# Altium PCB LAY-94611_B.PcbDoc (part 6 of 16) (continued)
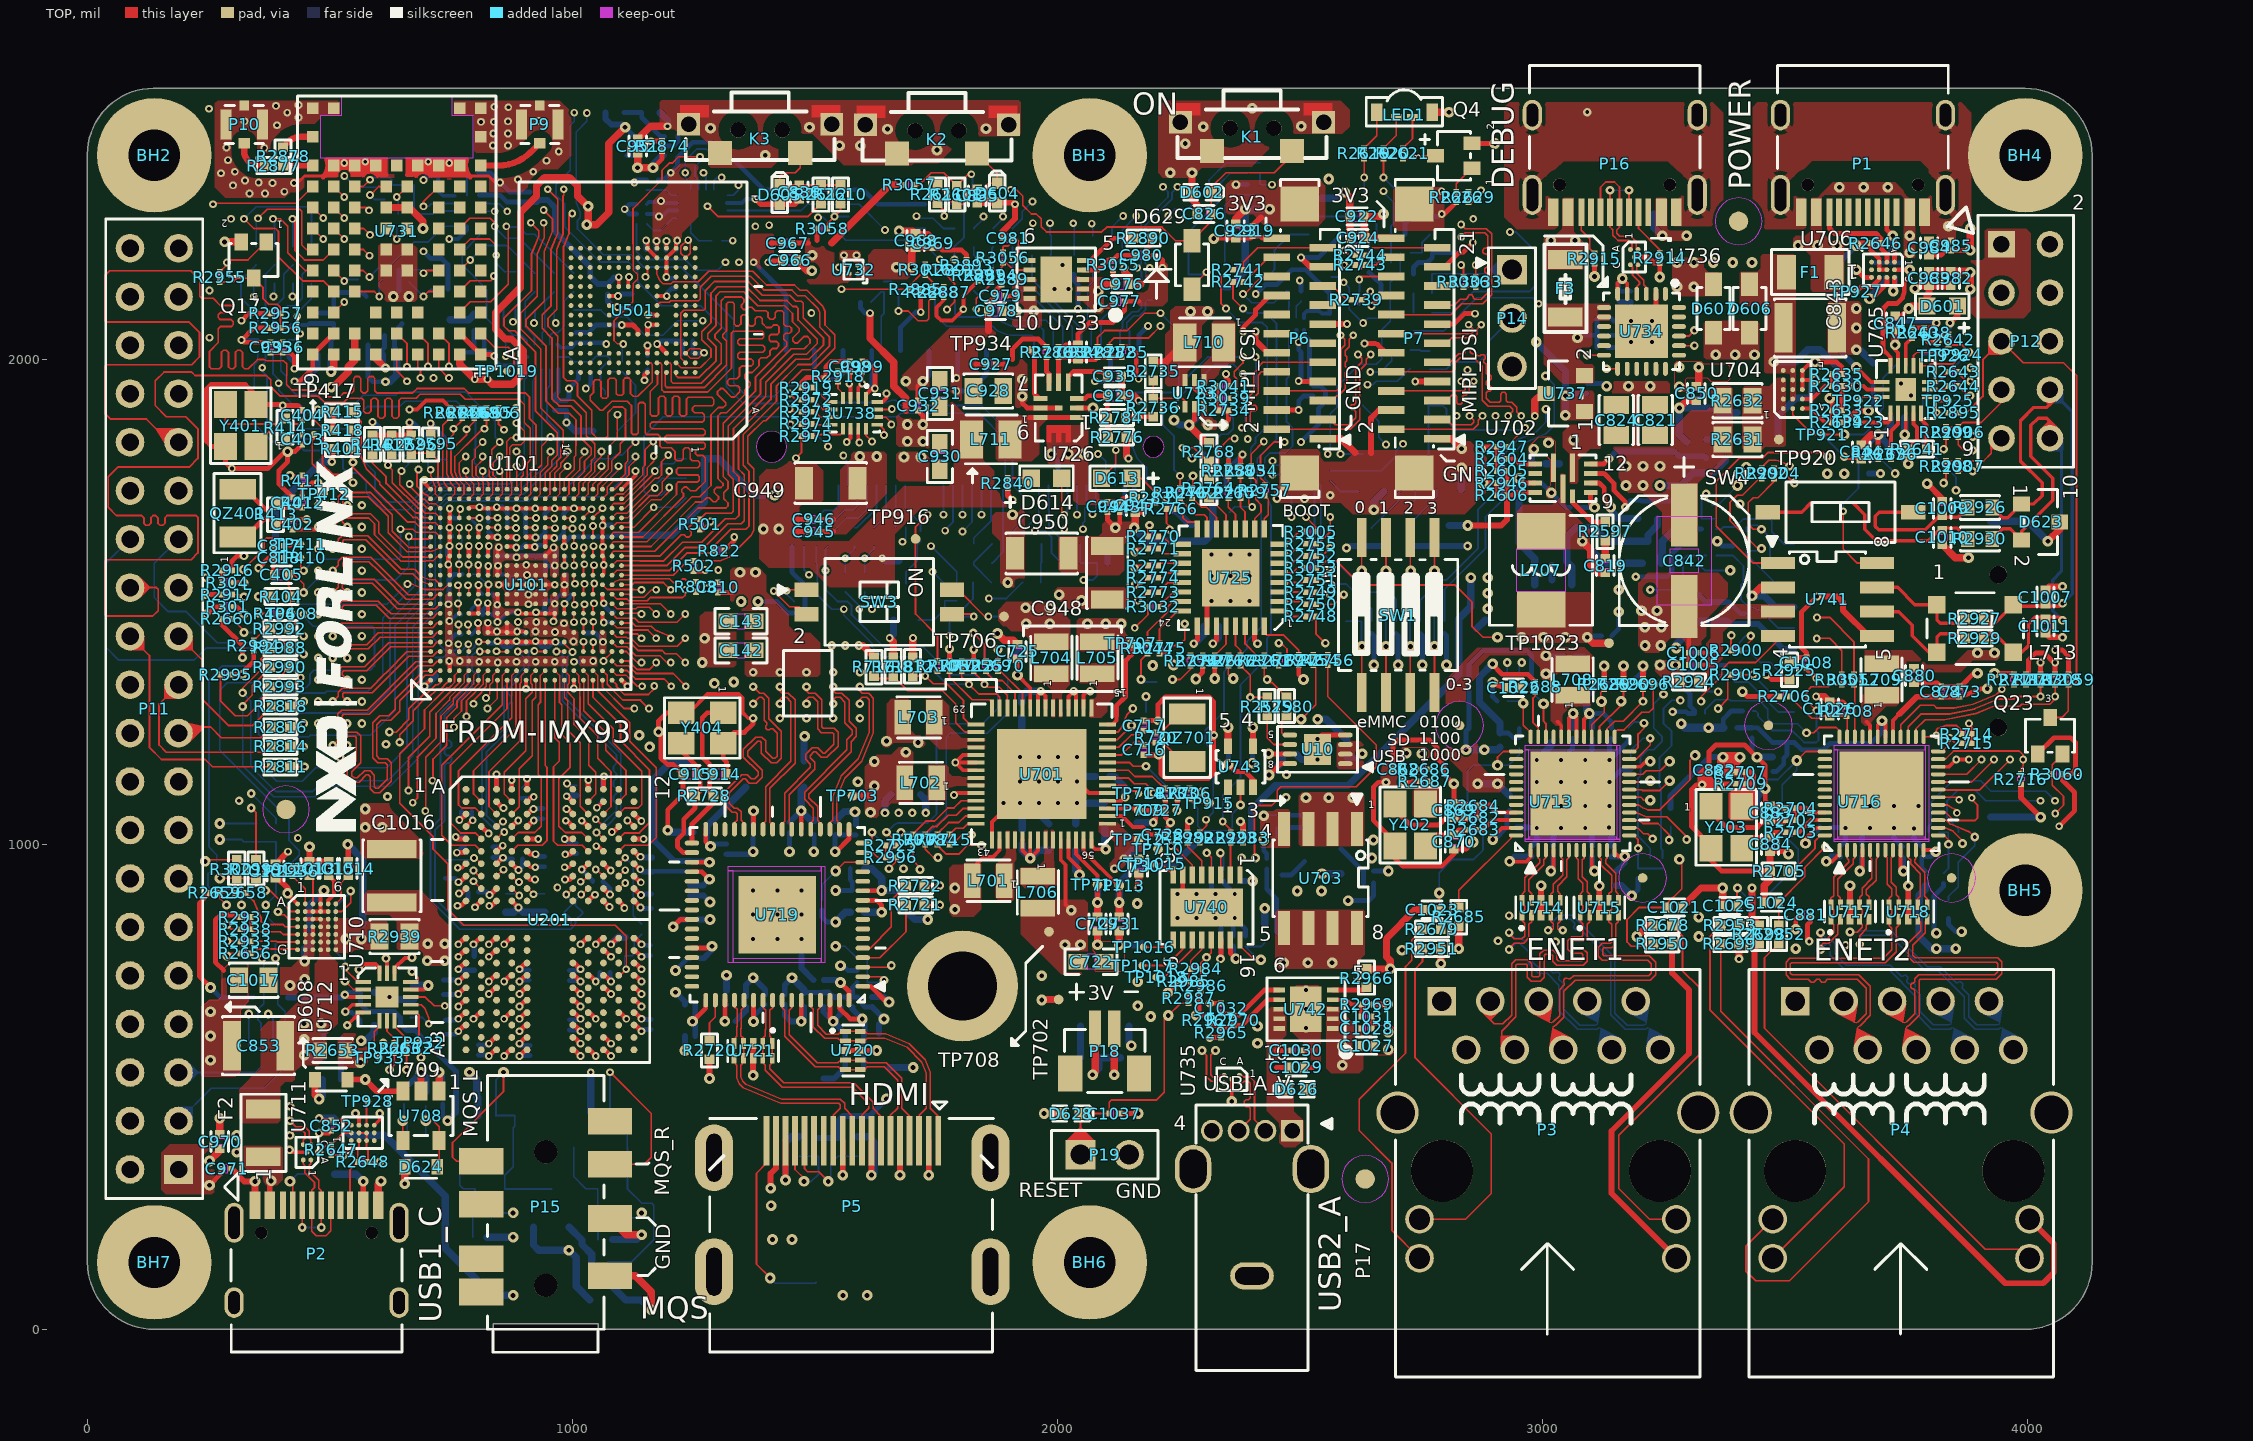
[diagram p0: TOP view]
## Nets (pads, with @x,y where several pads share a name; then routed paths per layer and width w, separated by ;. In a path a pad name is that pad's centre, name@x,y a point inside that pad or via, vN(x,y) a via of type N, cw(c..) or ccw(c..) an arc to the next point about the centre after c; other vN are vias at no path point) (continued)
ENET1_TRXP1: P3.9 U713.5 U714.4 U714.7 | length 625.1
  TOP w2.79: v15(3012.32,822.84) 3019.69,822.84 3022.95,826.1 3022.95,835.85 3017.48,841.32 U714.4@3017.48,854.17 3017.48,860.33 3022.95,865.8 3022.95,873.51 3017.48,878.98 U714.7@3017.48,884.49 3017.48,896.68 3022.95,902.15 3022.95,917.53 3042.05,936.63 3042.05,969.76 3039.18,972.63 U713.5@3039.18,988.27
  BOTTOM w2.79: v15(3012.32,822.84) 3022.92,833.44 3022.92,841.69 3035.23,854 3062.24,854 3150.1,766.14 3150.1,652 3174.92,627.18 3209.12,627.18 3213.24,629.24 3214.7,633.6 P3.9@3193.11,676.77
ENET1_TRXP2: P3.3 U713.7 U715.1 U715.10 | length 733.8
  TOP w2.79: P3.3@2893.11,676.77 2893.11,638.19 2901.3,630 2918.99,630 2937.05,648.06 2937.05,754.06 2944.99,762 2970.43,762 2978.37,754.06 2978.37,729.59 2981.16,726.8 2992.32,726.8 2995.11,729.59 2995.11,774.06 3003.05,782 3022.52,782 3030.46,774.06 3030.46,762.79 3033.25,760 3081.1,760 3083.89,762.79 3083.89,772.57 3081.1,775.36 3060.74,775.36 3052.8,783.3 3052.8,801.76 3060.74,809.7 3081.1,809.7 3083.89,812.49 3083.89,835.91 3078.43,841.37 U715.1@3078.43,854.17 3078.43,860.34 3083.89,865.8 3083.89,873.51 3078.43,878.97 U715.10@3078.43,884.49 3078.43,897.63 3083.89,903.09 3083.89,919.53 3074.05,929.37 3074.05,968.76 3070.67,972.14 U713.7@3070.67,988.27
ENET1_TRXP3: P3.5 U713.10 U715.4 U715.7 | length 736.4
  TOP w2.79: P3.5@2993.11,676.77 3014.71,633.58 3019.07,632.14 3023.18,634.19 3036.05,647.06 3036.05,700.32 3045.81,710.08 3045.81,714.7 3044.08,716.44 3044.08,721.06 3047.36,724.34 3051.98,724.34 3053.72,722.6 3058.33,722.6 3064.73,729 3219.35,729 3225,734.65 3225,753.57 3217.21,761.36 3123.74,761.36 3115.8,769.3 3115.8,787.76 3123.74,795.7 3140.21,795.7 3143,798.49 3143,834.8 3137.48,840.32 U715.4@3137.48,854.17 3137.48,860.33 3142.95,865.8 3142.95,873.51 3137.48,878.98 U715.7@3137.48,884.49 3137.48,897.68 3142.95,903.15 3142.95,936.47 3122.05,957.37 3122.05,969 3117.92,973.13 U713.10@3117.92,988.27
ENET1_TX_CTL: U101.V10 U713.20 | length 2826.4
  TOP w3.62: U101.V10@1042.39,1515.8 1042.39,1534.89 v9(1045.22,1537.72) ; U713.20@3179.53,1128.62 3220.18,1128.62 v18(3222.68,1131.12)
  ART08 w3.09: v9(1045.22,1537.72) 1113.52,1537.72 1175.8,1600 1288.3,1600 1337.11,1579.78 1440.91,1579.78 1509.52,1608.2 1643.6,1608.2 1664.8,1587 1707.8,1587 1716.8,1578 1781.8,1578 1788.8,1585 1920.8,1585 1929.8,1576 2061.8,1576 2142.01,1495.79 2167.34,1485.3 2192.54,1485.3 2203.24,1496 2279.36,1496 2301.36,1474 2703.8,1474 2710.39,1467.41 2710.39,1462.29 2702.52,1454.42 2702.52,1449.3 2706.14,1445.68 2711.26,1445.68 2719.13,1453.55 2724.25,1453.55 2727.87,1449.93 2727.87,1444.81 2720,1436.94 2720,1431.82 2723.62,1428.2 2728.74,1428.2 2736.61,1436.07 2741.73,1436.07 2756.8,1421 2756.8,1402 2778.8,1380 2778.8,1354.09 2775.71,1351 2749.89,1351 2746.8,1347.91 2746.8,1326 2752.67,1320.13 2757.79,1320.13 2773.67,1336.01 2778.79,1336.01 2782.41,1332.39 2782.41,1327.27 2766.53,1311.39 2766.53,1306.27 2772.8,1300 2800.8,1300 2803.76,1297.04 2808.88,1297.04 2811.76,1299.92 2816.88,1299.92 2820.5,1296.3 2820.5,1291.18 2817.62,1288.3 2817.62,1283.18 2821.24,1279.56 2826.36,1279.56 2829.24,1282.44 2834.36,1282.44 2837.98,1278.82 2837.98,1273.7 2835.1,1270.82 2835.1,1265.7 2844.8,1256 2878.92,1256 2941.92,1193 2999.8,1193 3009.8,1183 3009.8,1153.1 3012.9,1150 3147.8,1150 3166.68,1131.12 3174.69,1131.12 3178.31,1127.5 3178.31,1090.62 3181.93,1087 3187.05,1087 3190.67,1090.62 3190.67,1127.5 3194.29,1131.12 v18(3222.68,1131.12)
ENET1_TXC: U101.U10 U713.21 | length 2830.6
  TOP w3.62: U101.U10@1022.71,1515.8 1022.71,1534.75 v9(1025.22,1537.26) ; U713.21@3179.53,1144.37 3207.17,1144.37 3214.8,1152 3243.56,1152 v18(3262.68,1171.12)
  ART08 w3.09: v9(1025.22,1537.26) 1040.96,1553 1104.19,1553 1168.19,1617 1275.41,1617 1340.16,1590.18 1438.83,1590.18 1507.42,1618.6 1647.91,1618.6 1669.11,1597.4 1712.11,1597.4 1721.11,1588.4 1777.49,1588.4 1784.49,1595.4 1974.11,1595.4 1981.11,1588.4 2077.39,1588.4 2146.79,1519 2411.71,1519 2414.8,1515.91 2414.8,1496.09 2417.89,1493 2428.82,1493 2432.44,1496.62 2432.44,1515.38 2436.06,1519 2441.18,1519 2444.8,1515.38 2444.8,1496.62 2448.42,1493 2453.54,1493 2457.16,1496.62 2457.16,1515.38 2460.78,1519 2465.9,1519 2469.52,1515.38 2469.52,1496.62 2473.14,1493 2478.26,1493 2481.88,1496.62 2481.88,1515.38 2485.5,1519 2490.62,1519 2494.24,1515.38 2494.24,1496.62 2497.86,1493 2502.98,1493 2506.6,1496.62 2506.6,1515.38 2510.22,1519 2515.34,1519 2518.96,1515.38 2518.96,1496.62 2522.58,1493 2719.8,1493 2811.84,1400.96 2821.5,1377.64 2821.5,1321.31 2867.91,1274.9 2889.9,1274.9 2948.8,1216 3008.8,1216 3031.9,1192.9 3148.9,1192.9 3190.8,1151 3229.8,1151 3249.92,1171.12 v18(3262.68,1171.12)
ENET2_AVDD3: C875.1 C876.1 FB21.2 U716.1 U716.12 | length 401.9
  TOP w8: v14(3585.8,965) 3597.8,965 3613.19,980.39 U716.1@3613.19,988.27 ; U716.12@3786.41,988.27 3808.53,988.27 v14(3811.8,985)
  ART03 w15: v14(3585.8,965) 3620.8,965 3640.8,985 v14(3811.8,985)
  BOTTOM w10: FB21.2@3789.8,944.76 3782.8,951.76 3782.8,974.49 3801.29,974.49 v14(3811.8,985)
  BOTTOM w12: v14(3585.8,965) 3596.04,975.24 3614.8,975.24
ENET2_AVDDL: C877.1 C878.1 C879.1 FB22.2 U716.4 U716.9 U716.47 | length 258.5
  TOP w8: v7(3542.8,1002) 3542.8,1012 3564.93,1034.13 U716.47@3583.07,1034.13 ; v7(3654.8,945) 3660.43,950.63 U716.4@3660.43,988.27 ; U716.9@3739.17,988.27 3739.17,950.63 v7(3744.8,945)
  BOTTOM w10: 3742.8,974.49 3744.8,972.49 v7(3744.8,945)
  BOTTOM w12: v7(3542.8,1002) 3542.8,1005.51 C878.1@3572.29,1035 ; v7(3654.8,945) 3659.8,950 3659.8,975.24
ENET2_DVDD3: C871.1 C872.1 FB20.2 R2706.2 R2719.2 U716.30 U716.31 | length 940
  TOP w8: U716.31@3691.93,1221.73 3691.93,1246.13 v14(3700.8,1255) 3707.67,1248.13 U716.30@3707.67,1221.73
  TOP w10: v14(3412.8,1315) 3422.8,1305 3489.49,1305
  ART03 w15: v14(3412.8,1315) 3490,1315 3540,1365 3590.8,1365 v14(3700.8,1255)
  BOTTOM w10: 3432.8,1240.51 3444.25,1240.51 C871.1@3475,1209.76 3505,1209.76 ; 3475.51,1150 3482.5,1150 3498,1165.5 3498,1178 3505,1185 3505,1209.76 ; v14(3700.8,1255) 3700.8,1231 3677.8,1208 3593,1208 3580,1195 3534.99,1195 3520.23,1209.76 3505,1209.76
  BOTTOM w12: 3402.8,1240.51 3432.8,1240.51
ENET2_DVDD_RGMII: C873.1 C874.1 R2710.2 R2718.2 U716.29 | length 377.3
  TOP w8: U716.29@3723.42,1221.73 3723.42,1255.62 3736.05,1268.25
  TOP w10: C873.1@3860.8,1304.49 3864.6,1304.49 3904.49,1321 v7(3917.8,1321) ; 3997.8,1350.51 4002.8,1355.51 4002.8,1380 4017.8,1395 4035,1395 4055,1375 v5(4057.8,1375) 4057.8,1350.51
  TOP w12: 3736.05,1268.25 3772.29,1304.49 C874.1@3822.8,1304.49 C873.1@3860.8,1304.49
ENET2_DVDDL: C880.1 C881.1 FB22.1 L709.2 U716.22 | length 103.4
  TOP w8: U716.22@3816.53,1160.12 3838.92,1160.12 v34(3853.8,1175) v34(3879.8,1175)
  TOP w10: v19(3522.8,825) 3522.8,845.51 C881.1@3532.29,855
  other v18: 3897.8,1395 3932.8,1395
  other v19: 3522.8,785
ENET2_INT: R2700.2 R3051.2 R3052.2 U716.34 | length 491.3
  TOP w3.62: v5(3565.43,1276) 3545,1296.43 3545,1315.01 3554.99,1325 3589.99,1325 3594.48,1329.49 3617.8,1329.49 3642.8,1329.49 3644.68,1327.61 U716.34@3644.68,1221.73
  BOTTOM w3.62: 3433.94,1275 3440,1275 3445,1270 3445,1264 3474,1235 3515,1235 3540,1210 3565,1210 3570,1215 3570,1229.99 3565.43,1234.56 v5(3565.43,1276)
ENET2_MDC: U101.Y7 U716.14 | length 3414.1
  TOP w3.2: U101.Y7@1081.76,1456.75 1091.51,1447 1119.8,1447 1124.8,1442 1126.8,1442
  TOP w3.62: 1126.8,1442 1155.8,1442 v9(1172.8,1425) ; U716.14@3816.53,1034.13 3831.07,1034.13 3846.77,1027.62 3866.8,1007.59 v6(3866.8,1002)
  ART08 w3.09: v9(1172.8,1425) 1191.8,1406 1236.8,1406 1249.3,1418.5 1249.3,1428.5 1267.5,1446.7 1291.46,1446.7 1298.46,1439.7 1467.5,1439.7 1508.73,1480.93 1556.31,1500.7 1625.1,1500.7 1672.8,1453 1700.8,1453 1728.8,1425 1728.8,1396.38 1764.98,1360.2 1859.86,1360.2 1935.66,1284.4 2078.79,1284.4 2100.19,1263 2173.81,1263 2186.99,1276.18 2198.92,1281.12 2216.8,1299 2285.39,1299 2289.51,1300.71 2310.4,1321.6 2372.4,1321.6 2382.4,1331.6 2412.2,1331.6 2423.4,1320.4 2582.4,1320.4 2685.2,1217.6 2685.2,1174.6 2711.4,1148.4 2751.4,1148.4 2822.8,1077 2822.8,987 2885.8,924 2946.24,924 2988.24,882 3064.8,882 3092.8,854 3225.8,854 3252.8,881 3333.8,881 3351.8,863 3450.8,863 3472.8,885 3752.8,885 3866.8,999 v6(3866.8,1002)
ENET2_MDIO: R2713.1 U101.AA6 U716.15 | length 3798.1
  TOP w3.62: U101.AA6@1101.45,1437.06 1115.73,1437.06 1118.79,1434 1133.8,1434 v9(1142.8,1425) ; U716.15@3816.53,1049.88 3833.3,1049.88 3840.92,1042.26 3881.13,1025.59 3890.72,1016 3891,1016 v6(3892,1015)
  ART08 w3.09: v9(1142.8,1425) 1174.8,1393 1242.8,1393 1255.8,1406 1281.8,1406 1305.1,1429.3 1472.1,1429.3 1511.8,1469 1634.8,1469 1661.8,1442 1666.8,1442 1675.8,1433 1675.8,1426 1737.8,1364 1740.8,1364 1756.8,1348 1854.8,1348 1928.8,1274 2074.48,1274 2120.48,1228 2157.39,1228 2161.51,1229.71 2175.8,1244 2175.8,1250 2192.68,1266.88 2204.63,1271.83 2220.8,1288 2291.39,1288 2295.51,1289.71 2316.8,1311 2376.8,1311 2386.8,1321 2407.8,1321 2419,1309.8 2570,1309.8 2649.8,1230 2649.8,1212 2659.8,1202 2659.8,1175 2694.8,1140 2694.8,1120 2666.8,1092 2666.8,1057 2628.8,1019 2628.8,964 2671.47,921.33 2698.13,921.33 2721.8,945 2824.77,945 2864.77,905 2946.8,905 2981.8,870 3060.8,870 3087.8,843 3293.8,843 3306.8,830 3343.8,830 3358.8,845 3454.8,845 3483.8,874 3763,874 3892,1003 v6(3892,1015)
  BOTTOM w3.62: 3837.76,884.8 3837.76,892.76 3857.8,912.8 3857.8,962.8 3892,997 v6(3892,1015)
  BOTTOM w10: R2713.1@3837.76,846.8 3837.76,835.04 3852.8,820 v19(3865,820)
ENET2_MODE0: R2714.1 U101.Y5 U716.25 | length 4138.2
  TOP w3.2: U101.Y5@1081.76,1417.38 1081.76,1417.04 1091.3,1407.5 1112.3,1407.5 1116.8,1403
  TOP w3.62: 1116.8,1403 1130.8,1389 1180.8,1389 1194.8,1375 v3(1202.8,1375) ; U716.25@3786.41,1221.73 3809.53,1221.73 v3(3812.8,1225) 3812.8,1235.16 3815.8,1239.32 3832.82,1245 3854.99,1245 3864.49,1235.5 3864.49,1227.5
  ART03 w3.09: v3(1202.8,1375) 1218.8,1359 1253.8,1359 1257.8,1355 1276.8,1355 1293.4,1371.6 1299.5,1371.6 1303.12,1367.98 1303.12,1356.62 1306.74,1353 1311.86,1353 1315.48,1356.62 1315.48,1367.98 1319.1,1371.6 1324.22,1371.6 1327.84,1367.98 1327.84,1358.62 1331.46,1355 1336.58,1355 1340.2,1358.62 1340.2,1367.98 1343.82,1371.6 1611.21,1371.6 1616.55,1366.26 1616.55,1325.76 1667.11,1275.2 1734.81,1275.2 1858.8,1151.21 1858.8,1088.99 1879.64,1068.15 1892.07,1063 2156,1063 2193,1026 2240.8,1026 2253.8,1039 2253.8,1053 2269.8,1069 2341.81,1069 2371.81,1099 2443.8,1099 2459.8,1115 2580.7,1115 2583.8,1111.9 2583.8,1076.51 2580.18,1072.89 2548.42,1072.89 2544.8,1069.27 2544.8,1064.15 2548.42,1060.53 2580.18,1060.53 2583.8,1056.91 2583.8,1023.59 2586.89,1020.5 2596.69,1020.5 2600.31,1024.12 2600.31,1071.38 2603.93,1075 2609.05,1075 2612.67,1071.38 2612.67,1024.12 2616.29,1020.5 2626.31,1020.5 2629.4,1017.41 2629.4,962.41 2668.81,923 2697.4,923 2701.02,919.38 2701.02,890.62 2704.64,887 2709.76,887 2713.38,890.62 2713.38,949.38 2717,953 2722.12,953 2725.74,949.38 2725.74,888.62 2729.36,885 2734.48,885 2738.1,888.62 2738.1,949.38 2741.72,953 2746.84,953 2750.46,949.38 2750.46,888.62 2754.08,885 2759.2,885 2762.82,888.62 2762.82,919.38 2766.44,923 2803.71,923 2806.8,919.91 2806.8,887.09 2809.89,884 2816.55,884 2820.17,887.62 2820.17,903.38 2823.79,907 2828.91,907 2832.53,903.38 2832.53,887.62 2836.15,884 2841.27,884 2844.89,887.62 2844.89,903.38 2848.51,907 2853.63,907 2857.25,903.38 2857.25,887.62 2860.87,884 2868.8,884 2872.8,888 2872.8,902.91 2877.89,908 2972.8,908 2986.8,894 3136.8,894 3192.8,950 3442.4,950 3457.4,965 3457.4,1012.6 3556.99,1112.19 3556.99,1146.48 3605.51,1195 3762.27,1195 3797.31,1209.51 v3(3812.8,1225)
ENET2_MODE1: R2715.1 U101.AA5 U716.24 | length 4042
  TOP w3.62: U101.AA5@1101.45,1417.38 1103.83,1415 1120.05,1415 1135.05,1400 1184.8,1400 1191.8,1393 1214.8,1393 v3(1232.8,1375) ; U716.24@3816.53,1191.61 3824.41,1191.61 3837.8,1205 3837.8,1215 3840,1217.2 v3(3840,1220) 3851.5,1208.5 3864.49,1208.5
  ART03 w3.09: v3(1232.8,1375) 1232.8,1391.91 1235.89,1395 1285.8,1395 1298.8,1382 1309.13,1382 1312.75,1385.62 1312.75,1391.38 1316.37,1395 1321.49,1395 1325.11,1391.38 1325.11,1385.62 1328.73,1382 1333.85,1382 1337.47,1385.62 1337.47,1391.38 1341.09,1395 1346.21,1395 1349.83,1391.38 1349.83,1385.62 1353.45,1382 1358.57,1382 1362.19,1385.62 1362.19,1391.38 1365.81,1395 1370.93,1395 1374.55,1391.38 1374.55,1385.62 1378.17,1382 1383.29,1382 1386.91,1385.62 1386.91,1391.38 1390.53,1395 1395.65,1395 1399.27,1391.38 1399.27,1385.62 1402.89,1382 1408.01,1382 1411.63,1385.62 1411.63,1391.38 1415.25,1395 1420.37,1395 1423.99,1391.38 1423.99,1385.62 1427.61,1382 1432.73,1382 1436.35,1385.62 1436.35,1391.38 1439.97,1395 1445.09,1395 1448.71,1391.38 1448.71,1385.62 1452.33,1382 1457.45,1382 1461.07,1385.62 1461.07,1391.38 1464.69,1395 1469.81,1395 1473.43,1391.38 1473.43,1385.62 1477.05,1382 1482.17,1382 1485.79,1385.62 1485.79,1391.38 1489.41,1395 1494.53,1395 1498.15,1391.38 1498.15,1385.62 1501.77,1382 1622.8,1382 1629.2,1375.6 1629.2,1327.82 1671.72,1285.3 1739.7,1285.3 1862,1163 2055.52,1163 2059.14,1159.38 2059.14,1115.62 2062.76,1112 2067.88,1112 2071.5,1115.62 2071.5,1159.38 2075.12,1163 2086,1163 2121,1128 2121,1090 2135,1076 2228.8,1076 2239.8,1087 2263.8,1087 2270.8,1080 2337.8,1080 2375.8,1118 2447.8,1118 2456.8,1127 2495.59,1127 2499.21,1130.62 2499.21,1147.38 2502.83,1151 2507.95,1151 2511.57,1147.38 2511.57,1130.62 2515.19,1127 2520.31,1127 2523.93,1130.62 2523.93,1136.38 2527.55,1140 2532.67,1140 2536.29,1136.38 2536.29,1130.62 2539.91,1127 2550.71,1127 2554.33,1130.62 2554.33,1139.38 2557.95,1143 2563.07,1143 2566.69,1139.38 2566.69,1130.62 2570.31,1127 2575.43,1127 2579.05,1130.62 2579.05,1147.38 2582.67,1151 2587.79,1151 2591.41,1147.38 2591.41,1130.62 2595.03,1127 2600.15,1127 2603.77,1130.62 2603.77,1147.38 2607.39,1151 2612.51,1151 2616.13,1147.38 2616.13,1130.62 2619.75,1127 2624.87,1127 2628.49,1130.62 2628.49,1147.38 2632.11,1151 2637.23,1151 2640.85,1147.38 2640.85,1130.62 2644.47,1127 2651.8,1127 2675.3,1150.5 2747.8,1150.5 2797.8,1100.5 2797.8,1065 2823.8,1039 2918.8,1039 2953.8,1004 3180.8,1004 3205.8,1029 3248.22,1029 3312.6,1093.38 3312.6,1129.81 3339.79,1157 3381.71,1157 3384.8,1153.91 3384.8,1118 3388.8,1114 3395.48,1114 3399.1,1117.62 3399.1,1148.38 3402.72,1152 3407.84,1152 3411.46,1148.38 3411.46,1117.62 3415.08,1114 3420.2,1114 3423.82,1117.62 3423.82,1148.38 3427.44,1152 3482,1152 3485.62,1148.38 3485.62,1122.08 3488.71,1118.99 3493.09,1118.99 3512.8,1119 3518.8,1113 3536.71,1113 3541.8,1118.09 3541.8,1146 3616.8,1221 3627.02,1221 3630.64,1217.38 3630.64,1210.62 3634.26,1207 3639.38,1207 3643,1210.62 3643,1217.38 3646.62,1221 3651.74,1221 3655.36,1217.38 3655.36,1210.62 3658.98,1207 3664.1,1207 3667.72,1210.62 3667.72,1217.38 3671.34,1221 3676.46,1221 3680.08,1217.38 3680.08,1210.62 3683.7,1207 3688.82,1207 3692.44,1210.62 3692.44,1217.38 3696.06,1221 3701.18,1221 3704.8,1217.38 3704.8,1210.62 3708.42,1207 3713.54,1207 3717.16,1210.62 3717.16,1217.38 3720.78,1221 3725.9,1221 3729.52,1217.38 3729.52,1210.62 3733.14,1207 3738.26,1207 3741.88,1210.62 3741.88,1217.38 3745.5,1221 3750.62,1221 3754.24,1217.38 3754.24,1210.62 3757.86,1207 3762.98,1207 3766.6,1210.62 3766.6,1217.38 3770.22,1221 3773.8,1221 3797.8,1245 3827.8,1245 3840,1232.8 v3(3840,1220)
ENET2_MODE2: R2716.1 U101.Y6 U716.23 | length 4047
  TOP w3.2: U101.Y6@1081.76,1437.04 1091.65,1427.15 1111.65,1427.15 1113.8,1425
  TOP w3.62: 1113.8,1425 1120.8,1425 1137.3,1408.5 1216.3,1408.5 v3(1232.8,1425) ; U716.23@3816.53,1175.87 3830.08,1175.87 3832.8,1177 3848.3,1192.5 3983.5,1192.5 3991.8,1184.2 v3(3991.8,1175) 3991.8,1161.79 3987.29,1157.28 3987.29,1145
  ART03 w3.09: v3(1232.8,1425) 1232.8,1409.09 1235.89,1406 1506.8,1406 1519.8,1393 1628.8,1393 1639.6,1382.2 1639.6,1332.13 1676.33,1295.4 1743.6,1295.4 1844,1195 2070,1195 2178,1087 2223.81,1087 2234.21,1097.4 2268.11,1097.4 2275.11,1090.4 2332.2,1090.4 2387.2,1145.4 2407.2,1145.4 2427.8,1166 2512.8,1166 2526.8,1152 2546.8,1152 2557.8,1163 2752.8,1163 2812.8,1103 2812.8,1070 2833.4,1049.4 2923.11,1049.4 2958.11,1014.4 3175.21,1014.4 3200.81,1040 3244.51,1040 3301.8,1097.29 3301.8,1138 3364.8,1201 3441.76,1201 3445.38,1204.62 3445.38,1271.38 3449,1275 3454.12,1275 3457.74,1271.38 3457.74,1204.62 3461.36,1201 3466.48,1201 3470.1,1204.62 3470.1,1271.38 3473.72,1275 3478.84,1275 3482.46,1271.38 3482.46,1204.62 3486.08,1201 3491.2,1201 3494.82,1204.62 3494.82,1271.38 3498.44,1275 3503.56,1275 3507.18,1271.38 3507.18,1204.62 3510.8,1201 3579.8,1201 3610.8,1232 3758.8,1232 3791.8,1265 3837.8,1265 3908.3,1194.5 3972.3,1194.5 v3(3991.8,1175)
ENET2_NINT: R3049.1 R3051.1 R3054.2 | length 3043
  TOP w3.62: 2400,1780.51 2400,1805 v3(2426,1831) ; v28(3566.25,1424.82) 3592.62,1424.82 3617.8,1399.64 3617.8,1350.51
  ART03 w3.09: v3(2426,1831) 2463.7,1868.7 2789.39,1868.7 2804.09,1854 2920.8,1854 2941.8,1833 2976.8,1833 2997.4,1853.6 3323.4,1853.6 3422,1755 3422,1716 v43(3408,1702) ; v28(3566.25,1424.82) 3592.62,1424.82 3607.8,1440 3690,1440 3765,1515 4000,1515 4030,1485 4030,1477 4062,1445 4083,1445 4100.8,1427.2 4100.8,1133 v3(4057.74,1089.94)
  ART08 w3.09: v43(3408,1702) 3408,1618 3369,1579 3369,1557.5 3391.5,1535 3446.07,1535 3556.25,1424.82 v28(3566.25,1424.82)
  BOTTOM w3.62: 3796.79,1025 3796.79,1036.8 3802.29,1042.3 3802.29,1087.3 3845.99,1131 3904,1131 3925.5,1109.5 4038.18,1109.5 v3(4057.74,1089.94)
ENET2_NRST: R2770.2 R3050.1 R3052.1 | length 3886.3
  TOP w3.62: 2187.29,1635 2187.29,1655 v11(2190.29,1658) ; v3(3566.43,1468) 3592.8,1468 3642.8,1418 3642.8,1350.51
  ART03 w3.09: v11(2190.29,1658) 2190.29,1627.52 2214.81,1603 2285.8,1603 2300.8,1618 2407.8,1618 2440.8,1585 2651.8,1585 2772.8,1706 3085,1706 3091,1712 3245.8,1712 3369.8,1588 3510.06,1588 3544.8,1622.74 3544.8,1777.03 3563.8,1796.03 3563.8,1815.99 3571.81,1824 3764.8,1824 3810.8,1778 3842.8,1778 3875.8,1745 3875.8,1710 3633.8,1468 v3(3566.43,1468) 3550,1451.57 3550,1415 3560.19,1404.81 3752.99,1404.81 3783.8,1374 3965.51,1374 3981.51,1358 4051.79,1358 4077.8,1331.99 4077.8,1140 v3(4027.8,1090)
  BOTTOM w3.62: 3858.31,1025 3858.31,1031.69 3835,1055 3835,1090 3857,1112 3893,1112 3915,1090 v3(4027.8,1090)
ENET2_PHYAD1: R2710.1 R2711.1 U101.AA3 U716.28 | length 4131.3
  TOP w3.62: U101.AA3@1101.45,1378.01 1116.58,1378.01 1134.09,1360.5 1158.3,1360.5 v3(1172.8,1375) ; U716.28@3739.17,1221.73 3739.17,1246.37 3779.8,1287 3808,1287 3814,1281 3849.88,1281 3888.76,1288.73 3936.15,1308.35 v3(3947.8,1320) 3957.29,1329.49 3972.8,1329.49 3997.8,1329.49
  TOP w10: v2(3932.8,1353) 3970.31,1353 R2711.1@3972.8,1350.51
  ART03 w3.09: v3(1172.8,1375) 1205.2,1342.6 1241.2,1342.6 1271,1312.8 1328.99,1312.8 1355.2,1286.59 1355.2,1252.59 1372.79,1235 1446,1235 1454.3,1243.3 1600.1,1243.3 1613.8,1257 1729,1257 1780.09,1205.91 1780.09,1198.91 1833.8,1145.2 1833.8,1088 1869.53,1052.27 1889.5,1044 2149,1044 2213,980 2241.2,980 2291.2,1030 2348.8,1030 2358.8,1040 2358.8,1057 2365.4,1063.6 2396.4,1063.6 2411.8,1079 2439.8,1079 2458.8,1060 2520.81,1060 2608.8,972.01 2608.8,957 2700.8,865 2888.8,865 2912.8,889 2956.8,889 2970.8,875 3198.8,875 3252.8,929 3451.8,929 3476.8,954 3476.8,997.37 3586.8,1107.37 3586.8,1125.99 3612.81,1152 3702.2,1152 3705.82,1148.38 3705.82,1132.62 3709.44,1129 3714.56,1129 3718.18,1132.62 3718.18,1148.38 3721.8,1152 3726.92,1152 3730.54,1148.38 3730.54,1132.62 3734.16,1129 3739.28,1129 3742.9,1132.62 3742.9,1148.38 3746.52,1152 3751.64,1152 3755.26,1148.38 3755.26,1132.62 3758.88,1129 3764,1129 3767.62,1132.62 3767.62,1148.38 3771.24,1152 3994.8,1152 4012.8,1170 4012.8,1255 v3(3947.8,1320)
ENET2_PHYAD2: R2712.1 U101.Y4 U716.27 | length 4067.3
  TOP w3.62: v3(1063.96,1378.3) 1081.76,1396.1 U101.Y4@1081.76,1397.69 ; U716.27@3754.92,1221.73 3754.92,1242.26 3781.66,1269 3839.83,1269 3891.81,1279.34 3941.7,1300 3972.79,1300 3977.79,1305 v3(4027.8,1305) 4027.8,1329.49
  TOP w10: R2712.1@4027.8,1350.51 v1(4027.8,1375)
  ART03 w3.09: v3(1063.96,1378.3) 1088.5,1378.3 1127.8,1339 1127.8,1316 1139.3,1304.5 1172.3,1304.5 1192.8,1284 1311.8,1284 1322.8,1273 1322.8,1236 1369.8,1189 1563.66,1189 1620.23,1212.43 1639.4,1231.6 1712.58,1231.6 1744.8,1199.38 1762.05,1157.74 1794.86,1124.93 1805.29,1099.75 1805.29,1075.51 1853.65,1027.15 1885.16,1014.1 2094.1,1014.1 2162.05,985.95 2201.42,946.58 2248.64,946.58 2302.06,1000 2353.49,1000 2422.29,1028.49 2442.43,1028.49 2557.81,980.7 2578.2,960.31 2578.2,944.6 2687.8,835 2982.8,835 2987.8,840 3224.61,840 3309.11,875 3452.8,875 3562.8,985 3562.8,1005 3571.8,1014 3590.8,1014 3601.8,1003 3786.8,1003 3806.78,1022.98 3837.9,1098.1 3853.8,1114 3998.8,1114 4052.8,1168 4052.8,1280 v3(4027.8,1305)
ENET2_RD0: R2718.1 U101.AA4 U716.26 | length 4070.7
  TOP w3.62: U101.AA4@1101.45,1397.69 1111.36,1397.69 1134.05,1375 v3(1142.8,1375) ; U716.26@3770.67,1221.73 3770.67,1237.87 3789.8,1257 3829.73,1257 3894.4,1269.85 3930.96,1285 3985,1285 3989,1289 4046.8,1289 4057.8,1300 v3(4057.8,1305) 4057.8,1329.49
  ART03 w3.09: v3(1142.8,1375) 1152.8,1375 1186.8,1341 1186.8,1318 1210.4,1294.4 1319.4,1294.4 1333.8,1280 1333.8,1248 1381.8,1200 1561.65,1200 1615.32,1222.23 1634.79,1241.7 1717.29,1241.7 1757.8,1201.19 1757.8,1194.56 1769.58,1166.11 1803.51,1132.18 1815.69,1102.78 1815.69,1080.1 1858.64,1037.15 1887.98,1025 2102.92,1025 2170.11,997.16 2207.45,959.82 2247.61,959.82 2298.19,1010.4 2350.07,1010.4 2418.87,1038.89 2444.47,1038.89 2563.73,989.49 2588.6,964.62 2588.6,948.91 2691.51,846 2897.8,846 2921.8,870 2944.8,870 2958.8,856 3218.07,856 3300.15,890 3452.8,890 3527.8,965 3527.8,983.92 3522.8,996 3522.8,1016 3532.8,1026 3595.8,1026 3608.4,1013.4 3782.49,1013.4 3795.44,1026.35 3826.56,1101.47 3850.44,1125.35 3995.15,1125.35 4033.14,1163.34 4033.14,1276.66 4011.8,1298 4011.8,1314 4018.8,1321 4041.8,1321 v3(4057.8,1305)
ENET2_RST: R2701.2 R3049.2 R3050.2 U716.13 | length 142.7
  TOP w3.62: U716.13@3816.53,1018.39 3828.79,1018.39 3837.8,1009.38 v15(3837.8,1000)
  BOTTOM w3.62: 3817.81,1025 3837.29,1025 3837.29,1000.51 v15(3837.8,1000) 3837.8,950.51 R2701.2@3827.8,940.51
ENET2_TD0: U101.T8 U716.19 | length 4041.5
  TOP w3.62: U101.T8@1003.02,1476.43 1003.02,1458.57 v9(1003.28,1458.31) ; U716.19@3816.53,1112.87 3817.03,1112.37 3902.17,1112.37 v9(3964.8,1175)
  ART08 w3.09: v9(1003.28,1458.31) 1017.91,1443.68 1035.73,1436.3 1065.5,1436.3 1092.77,1409.03 1106.42,1376.08 1138.5,1344 1243.45,1344 1278.22,1358.42 1286.8,1367 1291.04,1377.24 1322.3,1408.5 1493.3,1408.5 1521.9,1437.1 1606.7,1437.1 1618.8,1425 1618.8,1411.56 1739.36,1291 1799.36,1291 1842.69,1247.67 1875.7,1234 2059.36,1234 2103.36,1190 2151.51,1190 2359.12,1276 2390,1276 2394,1272 2474.8,1272 2480.8,1278 2549.8,1278 2560.27,1267.53 2565.8,1254.18 2565.8,1189.66 2576.87,1162.93 2628.8,1111 2628.8,1081 2587.8,1040 2587.8,952 2674.8,865 2741.37,865 2811.39,836 2947.8,836 3012.8,771 3344.8,771 3355.8,782 3455.8,782 3473.8,764 3631.38,764 3757.05,816.05 3969.8,1028.8 3969.8,1170 v9(3964.8,1175)
ENET2_TD1: U101.U8 U716.18 | length 4003.8
  TOP w3.62: U101.U8@1022.71,1476.43 1022.71,1492.95 v9(1024.87,1495.11) ; U716.18@3816.53,1097.13 3854.67,1097.13 v9(3859.8,1092)
  ART08 w3.09: v9(1024.87,1495.11) 1041.76,1512 1083.8,1512 1104.8,1491 1240.8,1491 1253.8,1478 1317.7,1478 1324.8,1470.9 1451.7,1470.9 1487.53,1506.73 1548.27,1531.9 1638.03,1531.9 1685.73,1484.2 1713.73,1484.2 1743.93,1454 1792.14,1454 1795.76,1450.38 1795.76,1398.62 1799.38,1395 1804.5,1395 1808.12,1398.62 1808.12,1450.38 1811.74,1454 1841.87,1454 1845.49,1450.38 1845.49,1398.62 1849.11,1395 1854.23,1395 1857.85,1398.62 1857.85,1450.38 1861.47,1454 1884.8,1454 1917.8,1421 2054.8,1421 2075.8,1400 2133.76,1400 2137.38,1396.38 2137.38,1342.62 2141,1339 2146.12,1339 2149.74,1342.62 2149.74,1396.38 2153.36,1400 2158.48,1400 2162.1,1396.38 2162.1,1361.62 2165.72,1358 2170.84,1358 2174.46,1361.62 2174.46,1396.38 2178.08,1400 2188.27,1400 2191.89,1396.38 2191.89,1391.62 2195.51,1388 2200.63,1388 2204.25,1391.62 2204.25,1396.38 2207.87,1400 2212.99,1400 2216.61,1396.38 2216.61,1387.62 2220.23,1384 2225.35,1384 2228.97,1387.62 2228.97,1396.38 2232.59,1400 2241.8,1400 2255.8,1386 2561.8,1386 2728.8,1219 2764.8,1219 2822.8,1161 2828.8,1161 2847.8,1142 2847.8,1114.2 2864.8,1097.2 2864.8,1084 2873.49,1075.31 2873.49,1070.19 2865.61,1062.31 2865.61,1057.19 2869.23,1053.57 2874.35,1053.57 2882.23,1061.45 2887.35,1061.45 2890.97,1057.83 2890.97,1052.71 2878.09,1039.83 2878.09,1034.71 2881.71,1031.09 2886.83,1031.09 2899.71,1043.97 2904.83,1043.97 2917.8,1031 2917.8,1001.09 2920.89,998 2930.8,998 2937.8,1005 2947.36,1005 2968.36,984 3107.68,984 3111.3,980.38 3111.3,967.62 3114.92,964 3120.04,964 3123.66,967.62 3123.66,980.38 3127.28,984 3134.71,984 3137.8,980.91 3137.8,946.29 3140.89,943.2 3153.6,943.2 3166.8,930 3223.64,930 3227.26,926.38 3227.26,920.62 3230.88,917 3236,917 3239.62,920.62 3239.62,926.38 3243.24,930 3248.36,930 3251.98,926.38 3251.98,920.62 3255.6,917 3260.72,917 3264.34,920.62 3264.34,926.38 3267.96,930 3273.08,930 3276.7,926.38 3276.7,920.62 3280.32,917 3285.44,917 3289.06,920.62 3289.06,926.38 3292.68,930 3297.8,930 3301.42,926.38 3301.42,920.62 3305.04,917 3310.16,917 3313.78,920.62 3313.78,926.38 3317.4,930 3322.52,930 3326.14,926.38 3326.14,920.62 3329.76,917 3334.88,917 3338.5,920.62 3338.5,926.38 3342.12,930 3594.8,930 3663.8,999 3733.81,999 3745,1010.19 3745,1048 3752,1055 3799.79,1055 3816.05,1071.26 3816.05,1076.38 3812.18,1080.25 3812.19,1085.37 3815.81,1088.99 3820.93,1088.99 3824.8,1085.12 3829.9,1085.11 3836.79,1092 v9(3859.8,1092)
ENET2_TD2: U101.V8 U716.17 | length 4003.9
  TOP w3.62: U101.V8@1042.39,1476.43 1042.39,1494.6 v9(1044.79,1497) ; U716.17@3816.53,1081.38 3835.42,1081.38 3843.92,1075.69 3851.94,1072.38 v9(3855,1065)
  ART08 w3.09: v9(1044.79,1497) 1059.79,1482 1094.8,1482 1117.8,1459 1240.1,1459 1248.6,1467.5 1300.08,1467.5 1307.08,1460.5 1458.3,1460.5 1496.94,1499.14 1550.88,1521.5 1633.72,1521.5 1681.42,1473.8 1709.42,1473.8 1749.6,1433.62 1749.6,1405 1773.6,1381 1909,1381 1955,1335 2084.8,1335 2097.8,1322 2250.8,1322 2262.8,1334 2262.8,1362 2275.41,1374.61 2557.93,1374.61 2725.17,1207.37 2759.43,1207.37 2782.13,1184.67 2782.13,1179.55 2778.35,1175.77 2778.35,1170.65 2781.97,1167.03 2787.09,1167.03 2790.87,1170.81 2795.99,1170.81 2799.61,1167.19 2799.61,1162.07 2795.83,1158.29 2795.83,1153.17 2799.45,1149.55 2804.57,1149.55 2808.35,1153.33 2813.47,1153.33 2816.8,1150 2824.24,1150 2836.8,1137.44 2836.8,1109.64 2853.8,1092.64 2853.8,1041 2876.8,1018 2876.8,973 2895.61,954.19 2908.71,954.19 2911.8,957.28 2911.8,982.9 2914.9,986 2950.8,986 2963.8,973 2979.72,973 2983.34,969.38 2983.34,933.62 2987.96,929 2992.61,929 2995.7,932.09 2995.7,969.38 2999.32,973 3034.73,973 3038.35,969.38 3038.35,909.62 3041.97,906 3047.09,906 3050.71,909.62 3050.71,969.38 3054.33,973 3059.45,973 3063.07,969.38 3063.07,909.62 3066.69,906 3071.81,906 3075.43,909.62 3075.43,969.38 3079.05,973 3085.71,973 3088.8,969.91 3088.8,904 3114.8,878 3134.69,878 3138.31,881.62 3138.31,921.38 3141.93,925 3147.05,925 3150.67,921.38 3150.67,881.62 3154.29,878 3160.71,878 3163.8,881.09 3163.8,915.41 3166.89,918.5 3206.3,918.5 3218.8,906 3342.8,906 3360.8,888 3442.8,888 3467.8,913 3595.8,913 3668.29,985.49 3739.3,985.49 3756.3,1002.49 3774.29,1002.49 3812.9,1041.1 3818.02,1041.1 3821.4,1037.72 3826.52,1037.72 3830.14,1041.34 3830.14,1046.46 3826.76,1049.84 3826.76,1054.96 3836.8,1065 v9(3855,1065)